# KiCad board KlusterLab r2.0.kicad_pcb (continued)
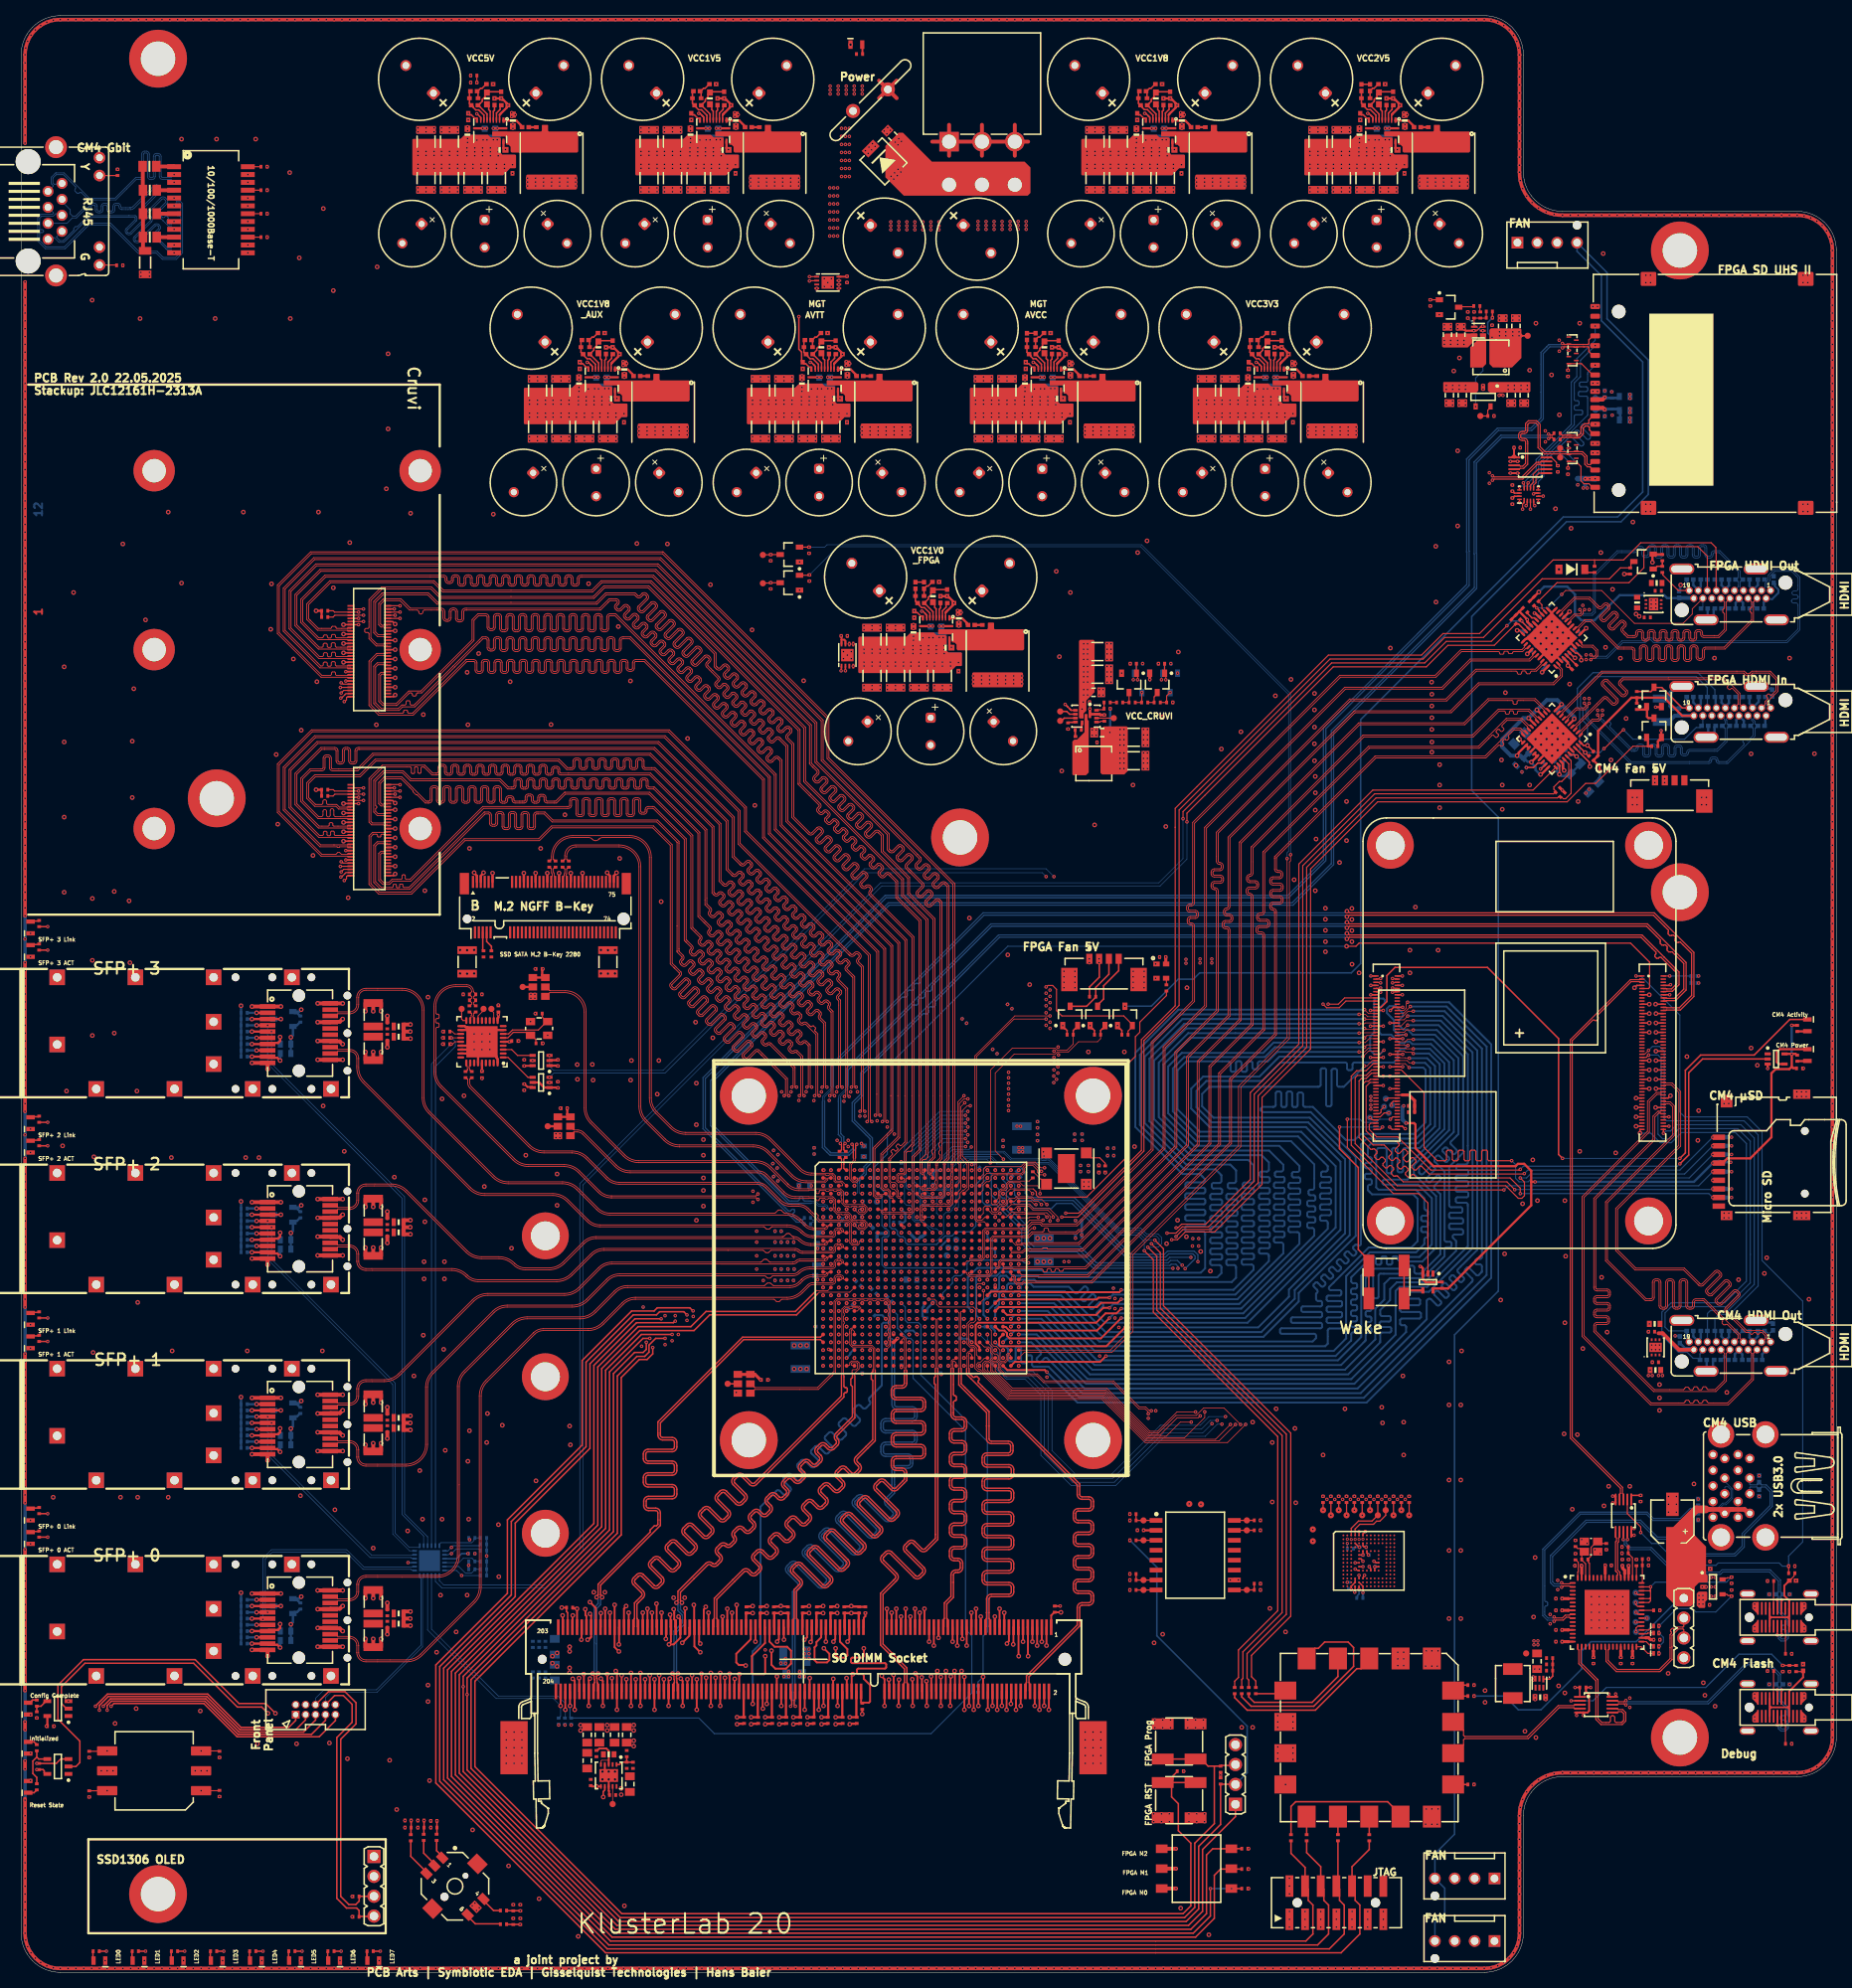
[diagram p0: board, top side]
## Routing (per net, layer and track width the routed paths; a pad name or vN(x,y) marks a point on that pad's centre or on a via; arc(x,y) is an arc through that point) (continued)
150MHz_REFCLK_P: length 64.2
  L1 Top w0.1: v1(107.5,97.5) 107.1,97.5 107,97.4 107,97.28 107.18,97.1 107.7,97.1 107.9,97.3 107.9,97.7 107.7,97.9 107.2,97.9 107.1,97.8 106.8,97.8 106.7,97.9 106.2,97.9 106.1,97.8 105.8,97.8 105.7,97.9 105.25,97.9 104.9,98.25 104.9,98.8 104.8,98.9 104.8,99.2 104.9,99.3 104.9,99.67 104.67,99.9 104.3,99.9 104.2,99.8 103.9,99.8 103.8,99.9 103.3,99.9 103.2,99.8 102.9,99.8 102.8,99.9 102.1,99.9 102,99.8 102,99.6 101.9,99.5 101.7,99.5 101.6,99.6 101.6,99.8 101.5,99.9 100.71,99.9 100.69,99.88
  L1 Top w0.114: 100.69,99.88 99.36,99.88 arc(98.58,100.03) 97.93,100.47 95.68,102.72 arc(94.86,103.27) 93.89,103.46 78.95,103.46 arc(77.89,103.67) 76.99,104.27 72.77,108.49 arc(72.17,109.39) 71.96,110.45 71.96,122.66 arc(71.22,124.44) 69.44,125.18 67.63,125.18 arc(67.57,125.17) 67.51,125.13 arc(67.5,125.11) 67.49,125.09 67.17,124.77 arc(67.09,124.72) Y5.4
156.25MHz_REFCLK_N: length 46.3
  L1 Top w0.1: 100.7,99.1 101.47,99.1 103.75,99.1 104.1,98.75 104.1,97.33 104.33,97.1 105.75,97.1 106.1,96.75 106.1,96.33 106.33,96.1 107.78,96.1 108.1,95.78 108.1,95.22 107.78,94.9 107.08,94.9 106.5,95.48 v1(106.5,95.5)
  L1 Top w0.114: Y6.5 70.57,107.73 arc(70.58,107.71) 70.59,107.69 70.62,107.65 arc(70.66,107.63) 70.7,107.62 71.12,107.62 arc(71.54,107.54) 71.91,107.29 76.06,103.14 arc(76.88,102.59) 77.85,102.4 94.21,102.4 arc(94.79,102.28) 95.28,101.96 97.53,99.71 arc(98.18,99.27) 98.96,99.12 100.7,99.12
156.25MHz_REFCLK_P: length 46.3
  L1 Top w0.1: v1(107.5,95.5) 107.1,95.5 107,95.4 107,95.28 107.18,95.1 107.7,95.1 107.9,95.3 107.9,95.7 107.7,95.9 107.3,95.9 107.2,95.8 106.9,95.8 106.8,95.9 106.25,95.9 105.9,96.25 105.9,96.67 105.67,96.9 105.32,96.9 105.22,96.8 104.92,96.8 104.82,96.9 104.25,96.9 103.9,97.25 103.9,97.7 103.8,97.8 103.8,98.1 103.9,98.2 103.9,98.67 103.67,98.9 103.2,98.9 103.1,98.8 102.8,98.8 102.7,98.9 102.1,98.9 102,98.8 102,98.7 101.9,98.6 101.7,98.6 101.6,98.7 101.6,98.8 101.5,98.9 100.7,98.9
  L1 Top w0.114: 100.7,98.88 98.86,98.88 arc(98.08,99.03) 97.43,99.47 95.18,101.72 arc(94.69,102.04) 94.11,102.16 77.85,102.16 arc(76.79,102.37) 75.89,102.97 71.77,107.09 arc(71.45,107.3) 71.07,107.38 70.7,107.38 arc(70.66,107.37) 70.62,107.35 70.59,107.31 arc(70.58,107.29) 70.57,107.27 Y6.4
200MHz_SYSCLK_N: length 35.4
  L1 Top w0.1: 111.1,80.08 111.1,80.78 ; 111.1,80.08 111.1,81.25 111.1,85.75 110.75,86.1 104.25,86.1 103.9,85.75 103.9,84.33 103.9,76.8 103.7,76.6 103.67,76.6 ; 111.1,80.08 110.52,79.5 v1(110.5,79.5)
  L1 Top w0.114: 103.67,76.6 101.79,74.72 93.76,74.72 93.69,74.79 93.69,74.81 93.3,75.2 Y4.5
200MHz_SYSCLK_P: length 35.2
  L1 Top w0.1: 103.84,76.43 103.84,76.46 104.1,76.72 104.1,85.67 104.33,85.9 105.8,85.9 105.9,85.8 106.2,85.8 106.3,85.9 106.7,85.9 106.8,85.8 107.1,85.8 107.2,85.9 107.7,85.9 107.8,85.8 108.1,85.8 108.2,85.9 108.8,85.9 108.9,85.8 109.2,85.8 109.3,85.9 109.8,85.9 109.9,85.8 110.2,85.8 110.3,85.9 110.67,85.9 110.9,85.67 110.9,85.3 110.8,85.2 110.8,84.9 110.9,84.8 110.9,84.3 110.8,84.2 110.8,83.9 110.9,83.8 110.9,83.3 110.8,83.2 110.8,82.9 110.9,82.8 110.9,82.2 110.8,82.1 110.8,81.8 110.9,81.7 110.9,81.2 110.8,81.1 110.8,80.8 110.9,80.7 110.9,80.18 110.72,80 110.6,80 110.5,80.1 v1(110.5,80.5)
  L1 Top w0.114: Y4.4 93.3,74 93.69,74.39 93.69,74.41 93.76,74.48 101.89,74.48 103.84,76.43
AMUX: length 9.2
  L1 Top w0.2: U21.32 196.63,154.16 196.63,153.09 v2(196.6,153.05) ; U21.36 198.06,155.55 198.49,155.55 198.69,155.35 v2(198.8,155.35)
  L12 Bottom w0.3: 197.99,155.57 198.02,155.6 198.07,155.6 198.11,155.57 198.5,155.57 198.72,155.35 v2(198.8,155.35) 199.31,154.84 199.31,154.41 D49.1 D50.1 197.59,153.12 197.32,152.85 196.88,152.85 196.68,153.05 v2(196.6,153.05) 196.6,153.14 196.3,153.44 196.3,153.83 196.57,154.09 C184.1
BBbmConfigured0: length 0.8
  L1 Top w0.15: U7.40 207.09,45.76 206.64,45.76 v1(206.4,46)
BBbmConfigured1: length 0.9
  L1 Top w0.15: U7.45 206.6,48.25 v1(206.35,48.5)
BBEN: length 1.1
  L1 Top w0.15: v1(206.35,47.25) 206.4,47.2 206.4,46.96 206.61,46.75 U7.42
Button_C: length 378.4
  L1 Top w0.2: J28.5 37.63,32.23 36.1,30.7 27.85,30.7 23.6,34.95 11.42,34.95 10.5,34.03 v1(10.5,34) ; v1(51.5,19.4) R180.1 51.47,18.47 51.47,17.66 R185.1
  L3 Inner2 (Sig) w0.1: v1(131.5,121.4) 129.77,121.4 129.77,121.4 119.87,131.3 113.04,131.3 60.64,183.7 18.33,183.7 8.55,173.92 8.55,139.93 10.9,137.58 10.9,119.07 11.7,118.27 11.7,106.5 10.9,105.7 10.9,94.07 11.7,93.27 11.7,81.5 10.9,80.7 10.9,69.07 11.7,68.27 11.7,56.5 10.9,55.7 10.9,44.07 11.7,43.27 11.7,35.2 v1(10.5,34)
  L3 Inner2 (Sig) w0.2: J28.5 39.22,31.34 40.38,31.34 51.5,20.23 v1(51.5,19.4)
  L10 Inner9 (Sig) w0.1: v1(124.5,95.5) 124.96,95.5 125.5,96.04 125.5,96.73 128.4,99.62 128.4,119 130.8,121.4 v1(131.5,121.4)
Button_D: length 403.1
  L1 Top w0.1: v1(131,121.8) 126.9,121.8 122.1,117 122.1,96.27 122.27,96.1 122.8,96.1 123.17,96.47 123.47,96.47 U1.G22
  L1 Top w0.2: J28.3 36.35,32.92 36.35,32.25 35.1,31 27.97,31 23.72,35.25 11.15,35.25 10,34.1 v1(10,33.5) ; C420.1 v1(63.78,6.13) 62.07,6.13 R188.1
  L3 Inner2 (Sig) w0.1: v1(131,121.8) 129.66,121.8 119.96,131.5 113.12,131.5 60.72,183.9 18.25,183.9 8.35,174 8.35,139.85 10.7,137.5 10.7,118.98 11.5,118.18 11.5,106.6 10.7,105.8 10.7,93.98 11.5,93.18 11.5,81.6 10.7,80.8 10.7,68.98 11.5,68.18 11.5,56.6 10.7,55.8 10.7,43.98 11.5,43.18 11.5,35.6 10,34.1 v1(10,33.5)
  L3 Inner2 (Sig) w0.2: J28.3 38.5,30.79 40.22,30.79 50.27,20.74 50.27,18.01 51.41,16.87 51.41,15.84 57.45,9.8 59.04,9.8 62.74,6.1 63.79,6.1
  L10 Inner9 (Sig) w0.1: 130.92,121.8 v1(131,121.8)
Button_L: length 383.7
  L1 Top w0.1: v1(131.5,122.2) 127,122.2 121.9,117.1 121.9,102.67 121.9,96.67 121.9,96.19 122.19,95.9 123.09,95.9 123.49,95.5 U1.H22
  L1 Top w0.2: R184.1 49.82,17.62 49.82,18.48 R179.1 v1(49.85,19.4) ; J28.1 35.09,32.19 34.2,31.3 28.1,31.3 23.85,35.55 11.02,35.55 9.5,34.03 v1(9.5,34)
  L3 Inner2 (Sig) w0.1: v1(9.5,34) 11.3,35.8 11.3,43.1 10.5,43.9 10.5,55.9 11.3,56.7 11.3,68.1 10.5,68.9 10.5,80.9 11.3,81.7 11.3,93.1 10.5,93.9 10.5,105.9 11.3,106.7 11.3,118.1 10.5,118.9 10.5,137.42 8.15,139.77 8.15,174.08 18.17,184.1 60.8,184.1 113.2,131.7 120.04,131.7 129.54,122.2 v1(131.5,122.2)
  L3 Inner2 (Sig) w0.2: v1(49.85,19.4) 49.85,20.39 39.98,30.26 37.76,30.26 J28.1
Button_R: length 395.6
  L1 Top w0.2: v1(11,33.5) 11,34.1 11.55,34.65 23.47,34.65 27.72,30.4 37.1,30.4 38.9,32.2 J28.7 ; v1(63.8,7.85) 63.78,7.88 62.07,7.88 R186.1
  L3 Inner2 (Sig) w0.1: v1(131,121) 129.89,121 119.79,131.1 119.79,131.1 112.95,131.1 60.55,183.5 18.42,183.5 8.75,173.83 8.75,140.02 11.1,137.67 11.1,119.15 11.9,118.35 11.9,106.4 11.1,105.6 11.1,94.15 11.9,93.35 11.9,81.4 11.1,80.6 11.1,69.15 11.9,68.35 11.9,56.4 11.1,55.6 11.1,44.15 11.9,43.35 11.9,35 11,34.1 v1(11,33.5)
  L3 Inner2 (Sig) w0.2: 63.79,7.87 61.68,7.87 59.15,10.4 57.61,10.4 51.92,16.09 51.92,20.5 40.52,31.9 39.83,31.9 38.9,32.83 J28.7
  L10 Inner9 (Sig) w0.1: v1(131,121) 128.6,118.6 128.6,99.53 125.75,96.68 125.75,95.75 v1(125.5,95.5)
Button_U: length 377.2
  L1 Top w0.1: R178.1 53.15,17.69
  L1 Top w0.2: v1(11.5,34) 11.85,34.35 23.35,34.35 27.6,30.1 38.1,30.1 40.17,32.17 J28.9 ; 53.15,17.69 R175.1 v1(53.15,19.35)
  L3 Inner2 (Sig) w0.1: v1(131.5,120.6) 130,120.6 119.7,130.9 112.87,130.9 60.47,183.3 18.5,183.3 8.95,173.75 8.95,140.1 11.3,137.75 11.3,119.23 12.1,118.43 12.1,106.3 11.3,105.5 11.3,94.23 12.1,93.43 12.1,81.3 11.3,80.5 11.3,69.23 12.1,68.43 12.1,56.3 11.3,55.5 11.3,44.23 12.1,43.43 12.1,34.6 v1(11.5,34)
  L3 Inner2 (Sig) w0.2: J28.9 53.15,19.96 v1(53.15,19.35)
  L10 Inner9 (Sig) w0.1: v1(131.5,120.6) 128.8,117.9 128.8,99.44 126.08,96.72 126.08,95.07 v1(125.5,94.5)
CM4_3V3: length 343.1
  L1 Top w0.3: 193,101 193,98 182.38,87.38 180.5,87.38 180.45,87.33 U4.5 ; 193,101 193,102.4 192.1,103.3 191.3,103.3 191,103 180.5,103 178.2,105.3 178.2,108.32 178.02,108.5 v1(177,108.5) ; 193,101 v1(193.5,101) ; J12.4 217.18,103.6 217.67,103.6 218.07,104 221,104 223.7,106.7 223.7,114.87 224.24,115.41 225.99,115.41 226.3,115.71 ; U3.5 226.09,117.35 ; v1(226.3,121) 226.31,121 R71.2 ; 226.3,115.71 v1(226.3,117.3) ; 226.3,115.71 226.48,115.54 226.87,115.54 C106.2 ; R72.2 226.95,117.2 226.8,117.35 226.3,117.35
  L10 Inner9 (Sig) w0.7: J34.12 8.4,230.24 8.4,222.05 J34.10 8.35,218.76 8.35,216.95 11.41,213.89 34.04,213.89 36.93,211 36.93,189.32 47,179.25 73.2,179.25 102.9,149.55 125.05,149.55 134.75,139.85 148.75,139.85 166.7,121.9 166.7,114.95 168.99,112.66 173.77,112.66 174.24,112.2 175.2,112.2 v1(176.7,110.7)
  L12 Bottom w0.3: v1(226.3,117.3) v1(226.3,121) ; C116.1 216.44,103.6 216.24,103.4 v1(216.2,103.4) 213.8,101 v1(193.5,101) 193.47,100.97
  L12 Bottom w0.5: v1(177,108.5) 176.55,108.95 176.55,110.55 v1(176.7,110.7)
CM4_GBE_LED_G: length 213.7
  L1 Top w0.15: 166.47,123.7 v1(166.4,123.7) 166.85,123.25 168.47,123.25 169.32,124.1 J7.17
  L10 Inner9 (Sig) w0.15: v1(166.4,123.7) 149.1,141 135.05,141 125.55,150.5 103.3,150.5 73.5,180.3 47.45,180.3 38.64,189.11 38.64,211.33 34.88,215.09 14.58,215.09 12.99,216.68 v1(12.99,218.1)
CM4_GBE_LED_Y: length 225.6
  L1 Top w0.15: v1(167.05,123.7) 167.1,123.7 ; 167.1,123.7 168.35,123.7 169.15,124.5 J7.15 ; 167.1,123.7 167.1,123.75
  L10 Inner9 (Sig) w0.15: v1(167.05,123.7) 149.29,141.46 135.24,141.46 125.74,150.96 103.49,150.96 73.69,180.76 47.64,180.76 39.1,189.3 39.1,211.52 35.07,215.55 14.9,215.55 13.59,216.86 13.59,219.81 12.99,220.41 12.99,229.7 v1(12.33,230.37)
CM4_GBE_MDI0_N: length 208.3
  L1 Top w0.114: v1(175.28,125.77) 175.32,125.74 175.84,125.74 J7.10
  L10 Inner9 (Sig) w0.1: v1(175.28,125.77) 175.37,125.77 175.48,125.66 175.79,125.66 176.13,125.32 176.13,124.61 174.89,123.38 174.35,123.38 174.35,123.38 168.26,123.38 149.31,142.32 135.43,142.32 126.18,151.57 103.86,151.57 73.91,181.52 47.91,181.52 40.95,188.49 40.95,204.69 arc(41.1,205.07) 41.49,205.23 41.52,205.23 arc(41.67,205.29) 41.73,205.44 41.73,205.72 arc(41.67,205.87) 41.52,205.93 41.19,205.93 arc(40.81,206.09) 40.65,206.47 40.65,206.75 arc(40.81,207.13) 41.19,207.29 41.52,207.29 arc(41.67,207.35) 41.73,207.5 41.73,207.78 arc(41.67,207.93) 41.52,207.99 41.49,207.99 arc(41.1,208.15) 40.95,208.53 40.95,208.74 40.95,215.14 36.05,220.03 29.2,220.03 29.15,219.98 29.15,219.97 28.97,219.79 v1(28.97,219.7)
CM4_GBE_MDI0_P: length 208.3
  L1 Top w0.114: J7.12 175.84,125.26 175.32,125.26 v1(175.28,125.22)
  L10 Inner9 (Sig) w0.1: v1(175.28,125.22) 175.37,125.22 175.48,125.33 175.65,125.33 175.8,125.18 175.8,124.75 174.76,123.71 174.22,123.71 174.21,123.71 168.4,123.71 149.45,142.65 135.57,142.65 126.32,151.9 104,151.9 74.05,181.85 62.72,181.85 48.05,181.85 41.28,188.63 41.28,204.69 arc(41.34,204.84) 41.49,204.9 41.52,204.9 arc(41.9,205.06) 42.06,205.44 42.06,205.72 arc(41.9,206.1) 41.52,206.26 41.19,206.26 arc(41.05,206.32) 40.98,206.47 40.98,206.75 arc(41.05,206.9) 41.19,206.96 41.52,206.96 arc(41.9,207.12) 42.06,207.5 42.06,207.78 arc(41.9,208.16) 41.52,208.32 41.49,208.32 arc(41.34,208.38) 41.28,208.53 41.28,215.28 36.19,220.36 31.86,220.36 arc(31.72,220.42) 31.66,220.56 31.66,220.86 arc(31.6,221) 31.46,221.06 31.36,221.06 arc(31.22,221) 31.16,220.86 31.16,220.56 arc(31.1,220.42) 30.96,220.36 29.21,220.36 28.97,220.61 v1(28.97,220.7)
CM4_GBE_MDI1_N: length 208.3
  L1 Top w0.114: v1(175.28,126.42) 175.32,126.46 175.84,126.46 J7.6
  L10 Inner9 (Sig) w0.1: v1(28.97,222.7) 29.31,223.04 34.85,223.04 42.57,215.31 42.57,213.68 arc(42.73,213.3) 43.11,213.14 43.16,213.14 arc(43.31,213.08) 43.37,212.93 43.37,212.65 arc(43.31,212.5) 43.16,212.44 42.67,212.44 arc(42.29,212.28) 42.13,211.9 42.13,211.62 arc(42.29,211.24) 42.67,211.08 43.11,211.08 arc(43.26,211.02) 43.32,210.87 43.32,210.59 arc(43.26,210.44) 43.11,210.38 arc(42.73,210.22) 42.57,209.84 42.57,207.85 42.57,188.61 48.66,182.52 74.36,182.52 104.26,152.62 126.61,152.62 135.81,143.42 149.61,143.42 168.84,124.2 174.16,124.2 174.7,124.73 174.7,126.38 174.86,126.53 175.07,126.53 175.18,126.42 v1(175.28,126.42)
CM4_GBE_MDI1_P: length 208.3
  L1 Top w0.114: v1(175.28,126.97) 175.32,126.94 175.84,126.94 J7.4
  L10 Inner9 (Sig) w0.1: v1(28.97,223.7) 29.31,223.37 34.99,223.37 42.9,215.45 42.9,213.68 arc(42.96,213.53) 43.11,213.47 43.16,213.47 arc(43.54,213.31) 43.7,212.93 43.7,212.65 arc(43.54,212.27) 43.16,212.11 42.67,212.11 arc(42.52,212.05) 42.46,211.9 42.46,211.62 arc(42.52,211.47) 42.67,211.41 43.11,211.41 arc(43.49,211.25) 43.65,210.87 43.65,210.59 arc(43.49,210.21) 43.11,210.05 arc(42.96,209.99) 42.9,209.84 42.9,207.85 42.9,188.75 48.8,182.85 74.5,182.85 74.69,182.66 104.4,152.95 126.75,152.95 135.95,143.75 149.75,143.75 168.98,124.53 174.03,124.53 174.37,124.87 174.37,126.51 174.72,126.86 175.07,126.86 175.18,126.97 v1(175.28,126.97)
CM4_GBE_MDI2_N: length 208.3
  L1 Top w0.114: v1(173.75,125.78) 173.71,125.74 173.19,125.74 J7.9
  L10 Inner9 (Sig) w0.1: v1(173.75,125.78) 173.66,125.78 173.55,125.67 169.03,125.67 150.07,144.63 136.42,144.63 127.22,153.83 104.82,153.83 74.77,183.88 49.47,183.88 44.45,188.9 44.45,215.82 33.84,226.43 31.71,226.43 31.18,225.9 arc(30.98,225.82) 30.79,225.9 30.64,226.05 arc(30.44,226.13) 30.24,226.05 30.14,225.95 arc(30.06,225.75) 30.14,225.55 30.29,225.4 arc(30.37,225.21) 30.29,225.01 30.08,224.8 28.02,224.8 27.65,225.17 27.65,225.7 28,226.05 28.65,226.05 28.97,225.73 v1(28.97,225.7)
CM4_GBE_MDI2_P: length 208.3
  L1 Top w0.114: v1(173.75,125.23) 173.71,125.26 173.19,125.26 J7.11
  L10 Inner9 (Sig) w0.1: v1(173.75,125.23) 173.66,125.23 173.55,125.34 168.9,125.34 149.93,144.3 136.28,144.3 127.08,153.5 104.68,153.5 74.63,183.55 49.33,183.55 44.12,188.76 44.12,215.68 33.7,226.1 31.85,226.1 30.22,224.47 27.89,224.47 27.32,225.04 27.32,225.84 27.86,226.38 28.65,226.38 v1(28.97,226.7)
CM4_GBE_MDI3_N: length 208.3
  L1 Top w0.114: J7.5 173.19,126.46 173.71,126.46 v1(173.75,126.43)
  L10 Inner9 (Sig) w0.1: v1(173.75,126.43) 173.66,126.43 173.55,126.54 169.11,126.54 150.53,145.12 136.81,145.12 127.56,154.37 105.06,154.37 74.86,184.57 50.01,184.57 45.7,188.88 45.7,206.63 45.7,210.24 arc(45.86,210.63) 46.24,210.78 46.42,210.78 arc(46.56,210.85) 46.63,210.99 46.63,211.27 arc(46.56,211.42) 46.42,211.48 45.45,211.48 arc(45.07,211.64) 44.91,212.02 44.91,212.3 arc(45.07,212.69) 45.45,212.84 46.71,212.84 arc(46.86,212.91) 46.92,213.05 46.92,213.33 arc(46.86,213.48) 46.71,213.54 46.24,213.54 arc(45.86,213.7) 45.7,214.08 45.7,215.68 32.35,229.04 29.31,229.04 v1(28.97,228.7)
CM4_GBE_MDI3_P: length 208.3
  L1 Top w0.114: v1(173.75,126.98) 173.71,126.94 173.19,126.94 J7.3
  L10 Inner9 (Sig) w0.1: v1(173.75,126.98) 173.66,126.98 173.55,126.87 169.25,126.87 150.67,145.45 136.95,145.45 127.7,154.7 105.2,154.7 75,184.9 50.15,184.9 46.03,189.02 46.03,210.24 arc(46.09,210.39) 46.24,210.45 46.42,210.45 arc(46.8,210.61) 46.96,210.99 46.96,211.27 arc(46.8,211.66) 46.42,211.81 45.45,211.81 arc(45.3,211.88) 45.24,212.02 45.24,212.3 arc(45.3,212.45) 45.45,212.51 46.71,212.51 arc(47.09,212.67) 47.25,213.05 47.25,213.33 arc(47.09,213.72) 46.71,213.87 46.24,213.87 arc(46.09,213.94) 46.03,214.08 46.03,215.82 32.49,229.37 29.31,229.37 v1(28.97,229.7)
CM4_GPIO00: length 117.9
  L1 Top w0.1: v1(177.2,121.02) 176.68,120.5 J7.36
  L12 Bottom w0.249: v1(177.2,121.02) 181.17,121.02 184.9,117.29 184.9,103.47 arc(184.83,103.3) 184.65,103.22 183.63,103.22 arc(183.48,103.16) 183.42,103.01 183.42,102.74 arc(183.48,102.59) 183.63,102.53 184.75,102.53 arc(184.9,102.46) 184.96,102.32 184.96,102.04 arc(184.9,101.89) 184.75,101.83 183.57,101.83 arc(183.42,101.77) 183.36,101.62 183.36,101.34 arc(183.42,101.19) 183.57,101.13 184.75,101.13 arc(184.9,101.07) 184.96,100.92 184.96,100.64 arc(184.9,100.49) 184.75,100.43 183.57,100.43 arc(183.42,100.37) 183.36,100.22 183.36,99.94 arc(183.42,99.79) 183.57,99.73 184.75,99.73 arc(184.9,99.67) 184.96,99.52 184.96,99.24 arc(184.9,99.09) 184.75,99.03 183.57,99.03 arc(183.42,98.97) 183.36,98.82 183.36,98.54 arc(183.42,98.39) 183.57,98.33 184.65,98.33 arc(184.83,98.26) 184.9,98.08 184.9,92.78 179.7,87.58 176.18,87.58 175.66,87.06 175.66,81.46 170,75.8 136.3,75.8 130.1,82 127,82 v1(126.5,81.5)
CM4_GPIO01: length 123
  L1 Top w0.1: J7.35 171.89,120.5 171.79,120.6 v1(171.7,120.6)
  L1 Top w0.249: v1(139.1,86.2) 137.7,86.2 137.47,85.97 124.97,85.97 U1.V23
  L12 Bottom w0.249: v1(171.7,120.6) 148.91,120.6 144.8,116.49 144.8,109.01 149.41,104.4 158.56,104.4 159.48,103.48 159.48,102.56 arc(159.4,102.38) 159.23,102.31 158.53,102.31 arc(158.38,102.25) 158.32,102.1 158.32,101.82 arc(158.38,101.67) 158.53,101.61 159.38,101.61 arc(159.53,101.55) 159.59,101.4 159.59,101.12 arc(159.53,100.98) 159.38,100.91 158.42,100.91 arc(158.27,100.85) 158.21,100.7 158.21,100.42 arc(158.27,100.28) 158.42,100.21 159.38,100.21 arc(159.53,100.15) 159.59,100.01 159.59,99.73 arc(159.53,99.58) 159.38,99.52 158.42,99.52 arc(158.27,99.45) 158.21,99.31 158.21,99.03 arc(158.27,98.88) 158.42,98.82 159.38,98.82 arc(159.53,98.76) 159.59,98.61 159.59,98.33 arc(159.53,98.18) 159.38,98.12 158.42,98.12 arc(158.27,98.06) 158.21,97.91 158.21,97.63 arc(158.27,97.48) 158.42,97.42 159.38,97.42 arc(159.53,97.36) 159.59,97.21 159.59,96.93 arc(159.53,96.78) 159.38,96.72 158.42,96.72 arc(158.27,96.66) 158.21,96.51 158.21,96.23 arc(158.27,96.08) 158.42,96.02 159.38,96.02 arc(159.53,95.96) 159.59,95.81 159.59,95.53 arc(159.53,95.38) 159.38,95.32 158.42,95.32 arc(158.27,95.26) 158.21,95.11 158.21,94.83 arc(158.27,94.68) 158.42,94.62 159.38,94.62 arc(159.53,94.56) 159.59,94.41 159.59,94.13 arc(159.53,93.99) 159.38,93.92 158.42,93.92 arc(158.27,93.86) 158.21,93.71 158.21,93.43 arc(158.27,93.29) 158.42,93.22 159.38,93.22 arc(159.53,93.16) 159.59,93.02 159.59,92.74 arc(159.53,92.59) 159.38,92.53 158.42,92.53 arc(158.27,92.46) 158.21,92.32 158.21,92.04 arc(158.27,91.89) 158.42,91.83 159.23,91.83 arc(159.4,91.75) 159.48,91.58 159.48,90.88 155.19,86.6 139.55,86.6 139.15,86.2 v1(139.1,86.2)
CM4_GPIO02: length 121.1
  L1 Top w0.1: J7.58 176.9,116.1 v1(177.4,115.6)
  L12 Bottom w0.249: v1(177.4,115.6) 177.4,115.6 179.2,115.6 179.5,115.3 179.5,108.6 178.02,107.12 171.22,107.12 170.46,106.35 169.31,106.35 165.09,110.58 164.09,110.58 arc(163.92,110.65) 163.84,110.82 163.84,112.2 arc(163.78,112.35) 163.63,112.41 163.35,112.41 arc(163.21,112.35) 163.14,112.2 163.14,110.78 arc(163.08,110.63) 162.93,110.57 162.66,110.57 arc(162.51,110.63) 162.45,110.78 162.45,112.32 arc(162.38,112.47) 162.24,112.53 161.96,112.53 arc(161.81,112.47) 161.75,112.32 161.75,110.78 arc(161.69,110.63) 161.54,110.57 161.26,110.57 arc(161.11,110.63) 161.05,110.78 161.05,112.32 arc(160.99,112.47) 160.84,112.53 160.56,112.53 arc(160.41,112.47) 160.35,112.32 160.35,110.82 arc(160.28,110.65) 160.1,110.58 158.65,110.58 158.42,110.35 158.42,110.14 158.65,109.91 164.81,109.91 170.57,104.15 170.57,94.09 163.29,86.8 163.29,85.72 158.77,81.2 138.2,81.2 132.9,86.5 v1(127.5,86.5)
CM4_GPIO03: length 123.9
  L1 Top w0.1: v1(177.93,116.2) 177.43,116.2 177.13,116.5 J7.56
  L12 Bottom w0.249: v1(125.51,86.49) 126,86 132.4,86 137.8,80.6 165.07,80.6 165.5,81.03 165.5,81.34 arc(165.43,81.52) 165.25,81.59 161.11,81.59 arc(160.96,81.65) 160.9,81.8 160.9,82.08 arc(160.96,82.23) 161.11,82.29 166.06,82.29 arc(166.21,82.35) 166.27,82.5 166.27,82.78 arc(166.21,82.93) 166.06,82.99 162.51,82.99 arc(162.36,83.05) 162.3,83.2 162.3,83.48 arc(162.36,83.62) 162.51,83.69 166.06,83.69 arc(166.21,83.75) 166.27,83.9 166.27,84.18 arc(166.21,84.32) 166.06,84.38 163.84,84.38 arc(163.69,84.45) 163.63,84.59 163.63,84.87 arc(163.69,85.02) 163.84,85.08 166.06,85.08 arc(166.21,85.15) 166.27,85.29 166.27,85.57 arc(166.21,85.72) 166.06,85.78 165.75,85.78 arc(165.57,85.86) 165.5,86.03 165.5,86.69 165.64,86.84 arc(165.72,87.01) 165.64,87.19 165.22,87.62 arc(165.15,87.76) 165.22,87.91 165.41,88.11 arc(165.56,88.17) 165.71,88.11 166.17,87.65 arc(166.32,87.59) 166.47,87.65 166.66,87.85 arc(166.73,88) 166.66,88.14 166.2,88.6 arc(166.14,88.75) 166.2,88.9 166.4,89.1 arc(166.55,89.16) 166.7,89.1 167.16,88.64 arc(167.31,88.58) 167.45,88.64 167.65,88.84 arc(167.71,88.98) 167.65,89.13 167.19,89.59 arc(167.13,89.74) 167.19,89.89 167.39,90.09 arc(167.54,90.15) 167.69,90.09 168.15,89.63 arc(168.3,89.57) 168.44,89.63 168.64,89.83 arc(168.7,89.97) 168.64,90.12 168.18,90.58 arc(168.12,90.73) 168.18,90.88 168.38,91.08 arc(168.53,91.14) 168.68,91.08 169.14,90.62 arc(169.28,90.55) 169.43,90.62 169.63,90.81 arc(169.69,90.96) 169.63,91.11 169.17,91.57 arc(169.11,91.72) 169.17,91.87 169.37,92.06 arc(169.52,92.13) 169.66,92.06 170.12,91.6 arc(170.27,91.54) 170.42,91.6 170.62,91.8 arc(170.68,91.95) 170.62,92.1 170.28,92.44 arc(170.22,92.58) 170.28,92.73 170.48,92.93 arc(170.63,92.99) 170.77,92.93 170.8,92.91 arc(171.07,92.85) 171.23,93.08 171.23,93.44 171.23,105.77 171.97,106.52 178.27,106.52 180.1,108.35 180.1,115.55 179.45,116.2 177.93,116.2
CM4_GPIO04: length 120.5
  L1 Top w0.1: J7.54 175.93,116.85 176.88,116.85 176.93,116.8 v1(177.43,116.8)
  L12 Bottom w0.249: v1(127.5,85.5) 132,85.5 137.5,80 166.67,80 167,80.33 167,82.02 arc(167.07,82.2) 167.25,82.27 168.62,82.27 arc(168.77,82.33) 168.83,82.48 168.83,82.76 arc(168.77,82.91) 168.62,82.97 167.07,82.97 arc(166.92,83.03) 166.86,83.18 166.86,83.46 arc(166.92,83.61) 167.07,83.67 168.62,83.67 arc(168.77,83.73) 168.83,83.88 168.83,84.16 arc(168.77,84.31) 168.62,84.37 167.07,84.37 arc(166.92,84.43) 166.86,84.58 166.86,84.86 arc(166.92,85.01) 167.07,85.07 168.62,85.07 arc(168.77,85.13) 168.83,85.28 168.83,85.56 arc(168.77,85.7) 168.62,85.77 167.07,85.77 arc(166.92,85.83) 166.86,85.98 166.86,86.25 arc(166.92,86.4) 167.07,86.46 168.52,86.46 arc(168.67,86.53) 168.73,86.67 168.73,86.95 arc(168.67,87.1) 168.52,87.16 167.38,87.16 arc(167.15,87.32) 167.21,87.59 172.23,92.62 177.68,92.62 178.48,93.42 178.48,98.84 177.92,99.4 172.66,99.4 172.12,99.94 172.12,100.39 arc(172.19,100.57) 172.37,100.64 172.41,100.64 arc(172.56,100.7) 172.62,100.85 172.62,101.13 arc(172.56,101.28) 172.41,101.34 171.95,101.34 arc(171.81,101.4) 171.74,101.55 171.74,101.83 arc(171.81,101.98) 171.95,102.04 172.41,102.04 arc(172.56,102.1) 172.62,102.25 172.62,102.53 arc(172.56,102.67) 172.41,102.74 171.96,102.74 arc(171.81,102.8) 171.75,102.95 171.75,103.22 arc(171.81,103.37) 171.96,103.43 172.42,103.43 arc(172.57,103.5) 172.63,103.64 172.63,103.92 arc(172.57,104.07) 172.42,104.13 172.37,104.13 arc(172.2,104.21) 172.12,104.38 172.13,105.49 ; 177.43,116.8 179.7,116.8 180.7,115.8 180.7,108.1 178.52,105.92 172.56,105.92 172.17,105.53 ; 172.13,105.49 172.13,105.49 ; 172.13,105.49 172.17,105.53 ; 172.13,105.49 172.17,105.53
CM4_GPIO05: length 116.6
  L1 Top w0.1: v1(177.93,121.6) 177.05,121.6 176.35,120.9 J7.34
  L12 Bottom w0.249: v1(127.5,81.5) 129.8,81.5 136.1,75.2 170.4,75.2 177.01,81.81 177.01,82.51 176.84,82.68 176.41,82.68 176.24,82.85 176.24,83.36 176.41,83.53 178.74,83.53 178.91,83.7 178.91,84.21 178.74,84.38 176.41,84.38 176.24,84.55 176.24,85.06 176.41,85.23 178.63,85.23 178.8,85.4 178.8,85.91 178.63,86.08 177.18,86.08 177.01,86.25 177.01,86.57 177.38,86.94 179.92,86.94 185.5,92.53 185.5,117.54 181.44,121.6 177.93,121.6
CM4_GPIO06: length 121
  L1 Top w0.1: J7.30 176.73,121.7 v1(177.22,122.19)
  L12 Bottom w0.249: v1(177.22,122.19) 177.23,122.2 181.68,122.2 186.1,117.79 186.1,92.29 183.64,89.83 arc(183.56,89.65) 183.64,89.47 184.37,88.74 arc(184.44,88.59) 184.37,88.44 184.18,88.24 arc(184.03,88.18) 183.88,88.24 183.1,89.02 arc(182.95,89.08) 182.81,89.02 182.61,88.82 arc(182.55,88.67) 182.61,88.53 183.43,87.7 arc(183.49,87.56) 183.43,87.41 183.23,87.21 arc(183.08,87.15) 182.94,87.21 182.11,88.03 arc(181.97,88.09) 181.82,88.03 181.62,87.83 arc(181.56,87.69) 181.62,87.54 182.44,86.71 arc(182.5,86.57) 182.44,86.42 182.24,86.22 arc(182.1,86.16) 181.95,86.22 181.12,87.04 arc(180.98,87.1) 180.83,87.04 180.63,86.85 arc(180.57,86.7) 180.63,86.55 181.45,85.73 arc(181.51,85.58) 181.45,85.43 181.26,85.23 arc(181.11,85.17) 180.96,85.23 180.18,86.01 arc(180,86.09) 179.82,86.01 179.65,85.84 179.65,83.45 170.8,74.6 135.9,74.6 129.5,81 126,81 v1(125.5,80.5)
CM4_GPIO07: length 121.8
  L1 Top w0.1: v1(171,120) 171.05,120.05 173.1,120.05 J7.37
  L1 Top w0.249: U1.W23 125,85 137.5,85 138.05,85.55 140.15,85.55 v1(140.6,86)
  L12 Bottom w0.249: v1(140.6,86) 155.44,86 161.31,91.87 161.31,92.99 arc(161.24,93.16) 161.06,93.24 160.33,93.24 arc(160.19,93.3) 160.12,93.45 160.12,93.73 arc(160.19,93.87) 160.33,93.94 161.27,93.94 arc(161.42,94) 161.48,94.15 161.48,94.42 arc(161.42,94.57) 161.27,94.63 160.33,94.63 arc(160.19,94.7) 160.12,94.84 160.12,95.12 arc(160.19,95.27) 160.33,95.33 161.27,95.33 arc(161.42,95.39) 161.48,95.54 161.48,95.82 arc(161.42,95.97) 161.27,96.03 160.33,96.03 arc(160.19,96.09) 160.12,96.24 160.12,96.52 arc(160.19,96.67) 160.33,96.73 161.27,96.73 arc(161.42,96.79) 161.48,96.94 161.48,97.22 arc(161.42,97.37) 161.27,97.43 160.33,97.43 arc(160.19,97.49) 160.12,97.64 160.12,97.92 arc(160.19,98.07) 160.33,98.13 161.27,98.13 arc(161.42,98.19) 161.48,98.34 161.48,98.62 arc(161.42,98.77) 161.27,98.83 160.33,98.83 arc(160.19,98.89) 160.12,99.04 160.12,99.32 arc(160.19,99.47) 160.33,99.53 161.27,99.53 arc(161.42,99.59) 161.48,99.74 161.48,100.02 arc(161.42,100.17) 161.27,100.23 160.33,100.23 arc(160.19,100.29) 160.12,100.44 160.12,100.72 arc(160.19,100.86) 160.33,100.93 161.27,100.93 arc(161.42,100.99) 161.48,101.14 161.48,101.41 arc(161.42,101.56) 161.27,101.62 160.45,101.62 arc(160.31,101.69) 160.24,101.83 160.24,102.11 arc(160.31,102.26) 160.45,102.32 161.06,102.32 arc(161.24,102.4) 161.31,102.57 161.31,103.19 159.5,105 149.66,105 145.4,109.26 145.4,116.24 149.16,120 155.2,120 v1(171,120)
